# Altium PCB BoardB.PcbDoc (part 2 of 2) (continued)
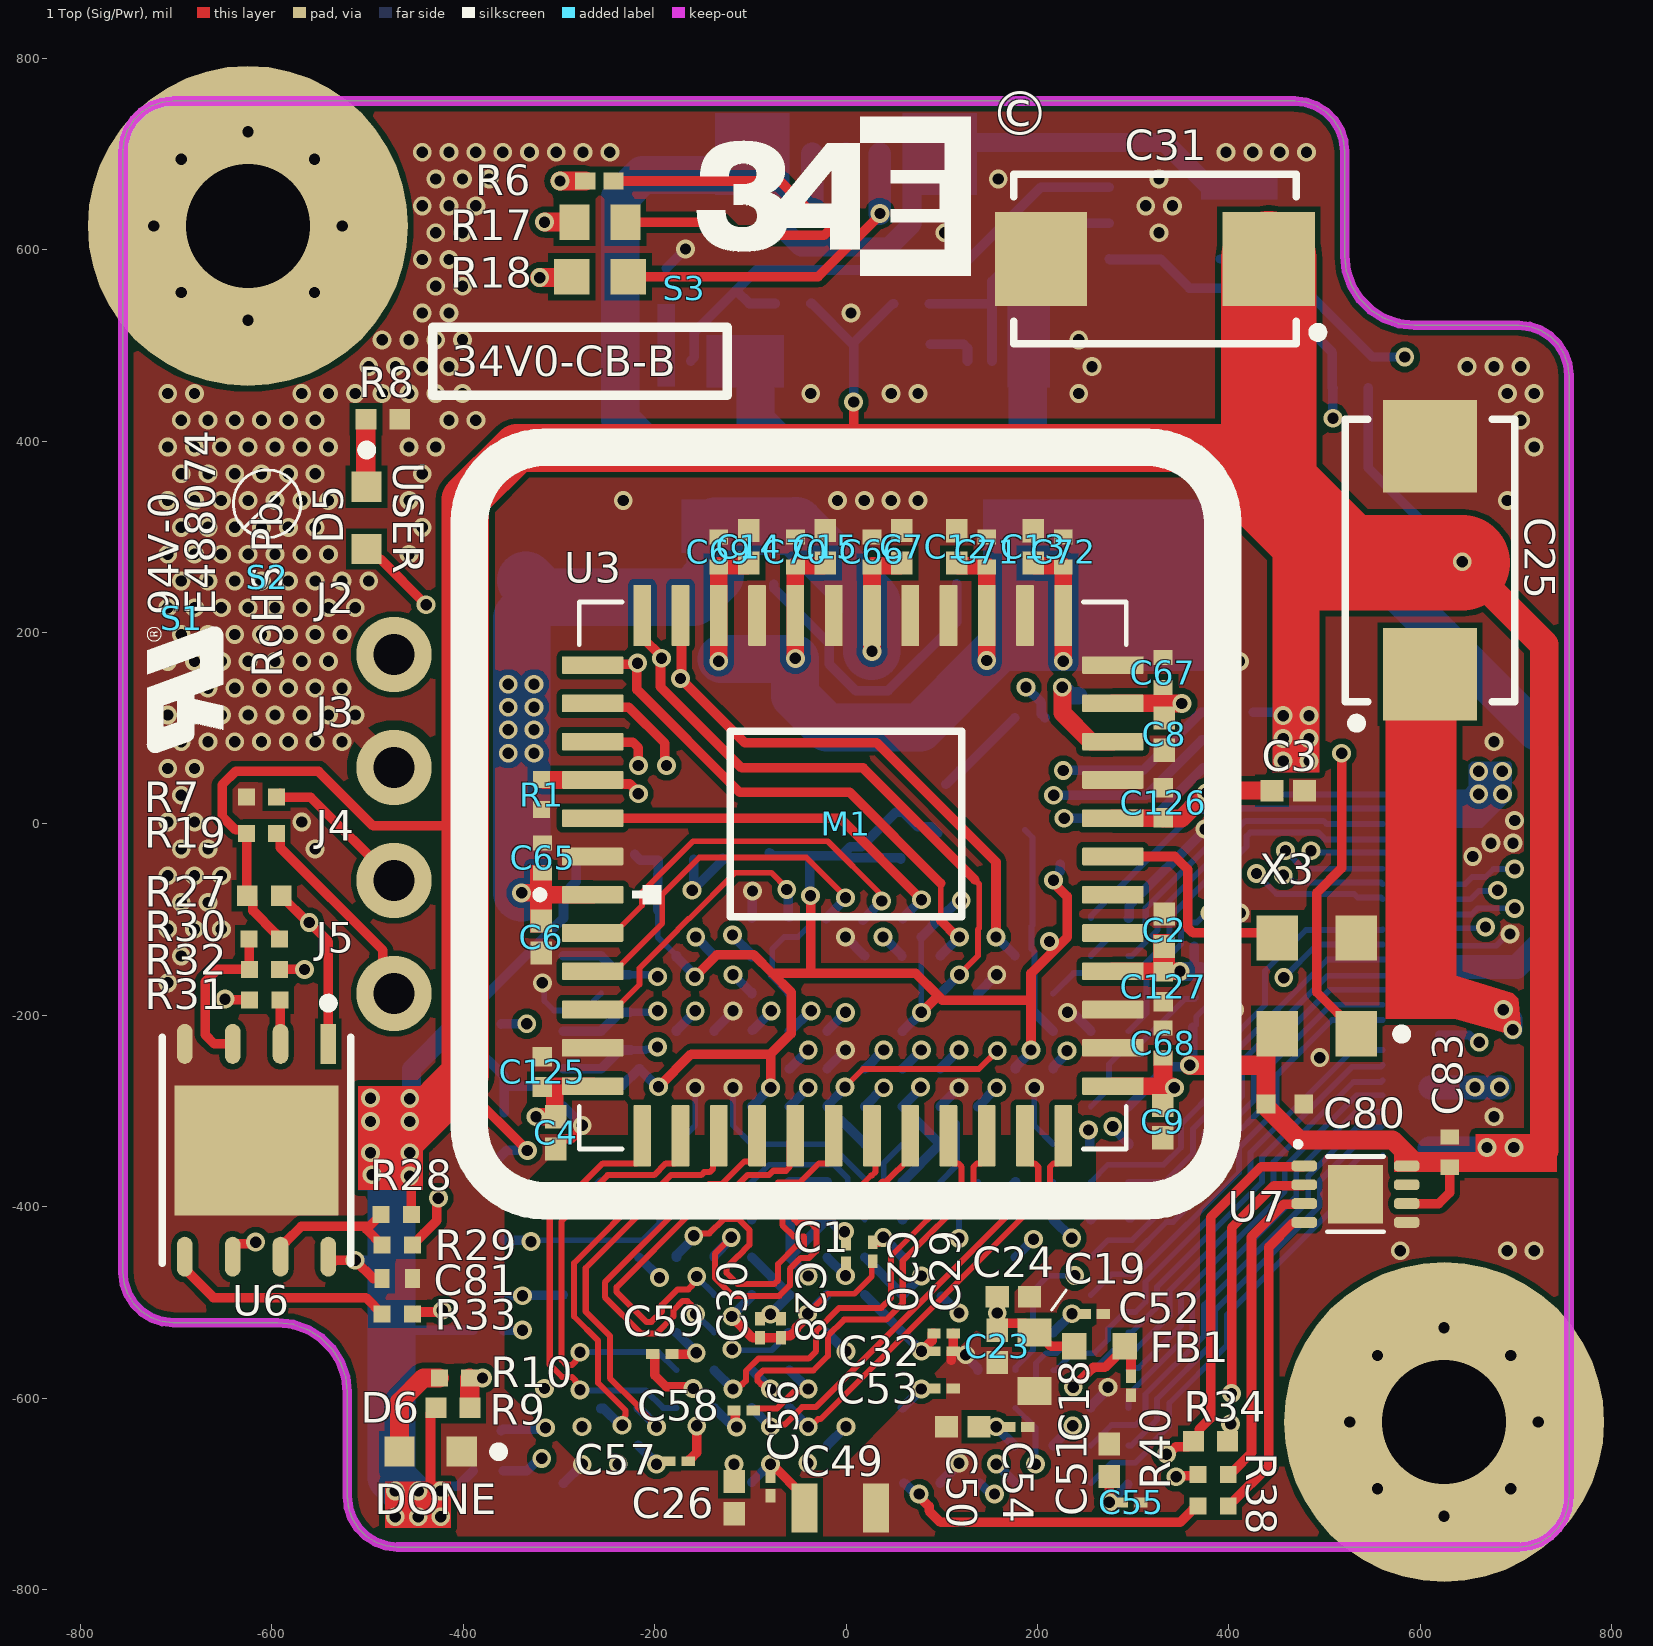
[diagram p0: 1 Top (Sig/Pwr) view]
## Nets (pads, with @x,y where several pads share a name; then routed paths per layer and width w, separated by ;. In a path a pad name is that pad's centre, name@x,y a point inside that pad or via, vN(x,y) a via of type N, cw(c..) or ccw(c..) an arc to the next point about the centre after c; other vN are vias at no path point) (continued)
  1 Top (Sig/Pwr) w6: v1(-40.13,-511.87) -19.26,-491 8.95,-491 26.98,-472.97 26.98,-458.02 C20.2@28,-457
  1 Top (Sig/Pwr) w10: -291.15,-329.08 -287.32,-329.08 -275.59,-317.34 v1(-275.59,-314.96) ; C59.2@-201.88,-554 -200.09,-554 -199.91,-554.17 -199.91,-576.09 -187.85,-588.15 -161.65,-588.15 v1(-159.79,-590) ; C57.2@-164.99,-666 -163.19,-666 -163.02,-665.83 -163.02,-664.03 -156,-657.01 v1(-156,-629) ; v1(-119.32,-514.82) -119.32,-515.37 -97.66,-537.02 C28.2@-68,-537.02 -68,-535.23 -67.83,-535.05 -58.35,-535.05 -51.83,-528.53 -51.83,-526.19 -40.13,-514.49 v1(-40.13,-511.87) ; C58.2@-117.02,-613 -115.84,-613 -115.67,-613.17 -115.67,-628.88 v1(-114.32,-630.23) ; 110.04,-560.65 110.04,-551.17 110.21,-551 C32.2@112.01,-551 ; C32.2@112.01,-551 C29.2@112.03,-532.31
  6 Bottom (Sig/Pwr) w6: v1(-317.34,-166.06) -315.25,-168.15 -315.25,-184.9 -305.13,-195.02 -287.88,-195.02 -273.74,-195 U1.P2@-255.91,-177.17 ; U1.K4@-177.17,-334.65 -157.48,-314.96 v1(-157.48,-275.59) ; v1(-118.11,-275.59) -118.11,-314.96 U1.K6@-98.43,-334.65 U1.K7@-59.06,-334.65 U1.K8@-19.69,-334.65 -16.83,-334.65 19.68,-371.16 U1.J9@19.68,-374.02 ; U1.J11@98.43,-374.02 116.28,-356.16 116.28,-313.13 U1.L11@98.43,-295.28 ; 196,-586 198.68,-583.32 198.68,-563.47 209.14,-553.01 220.28,-553.01 230.48,-542.81 ; v1(196.85,-275.59) 196.85,-314.96 U1.K14@216.54,-334.65 ; J1.15@620.08,-125.98 621.3,-127.21 679.56,-127.21 691.77,-115 v1(694,-115)
  6 Bottom (Sig/Pwr) w10: U1.A1@-295.28,-688.98 v1(-275.59,-669.29) ; U1.L1@-295.28,-295.28 v1(-275.59,-314.96) ; U1.G3@-216.54,-452.76 -216.39,-452.76 -195.08,-474.07 v1(-194.93,-474.07) ; C78.2@-188,580.68 v1(-167.69,601) ; U1.C5@-137.8,-610.24 -117.8,-630.23 v1(-114.32,-630.23) ; U1.N5@-137.8,-216.54 -137.8,-215.77 -118.11,-196.08 v1(-118.11,-195.32) ; v1(-119.32,-514.82) -119.32,-513.92 -98.43,-493.03 U1.F6@-98.43,-492.13 ; U1.H6@-98.43,-413.39 -98.43,-411.57 -87,-400.14 v1(-87,-398.32) ; U1.T6@-98.43,-98.43 -98.09,-98.09 -98.09,-70.34 v1(-97.75,-70) ; C74.2@-75.37,250.79 -75.37,246.36 -17.4,188.39 -17.4,166.9 10.1,139.39 44.07,139.39 115.55,210.87 C76.2@115.55,250.87 ; v1(-40.13,-511.87) -39.78,-511.87 -20.04,-492.13 U1.F8@-19.69,-492.13 ; U1.B8@-19.69,-649.61 v1(0,-629.92) ; U1.M8@-19.69,-255.91 -19.69,-255.69 -0.42,-236.43 v1(-0.42,-236.22) ; v1(-0.42,-118.11) -0.21,-118.11 19.47,-137.8 U1.R9@19.68,-137.8 ; U1.G9@19.68,-452.76 U1.F10@59.06,-492.13 v1(78.74,-472.44) ; U1.A11@98.43,-688.98 98.43,-688.28 118,-668.7 v1(118,-668) ; U1.L11@98.43,-295.28 v1(118.11,-275.59) ; v1(125.23,-554.77) 125.23,-556.54 137.8,-569.1 U1.D12@137.8,-570.87 ; U1.P12@137.8,-177.17 v1(157.48,-157.48) ; U1.G13@177.17,-452.76 v1(196,-434) ; v1(231.46,-196.85) 233.31,-198.7 238.07,-198.7 U1.N15@255.91,-216.54 ; U1.C15@255.91,-610.24 255.91,-608.43 273.78,-590.55 v1(273.78,-588.74) ; U1.T16@295.28,-98.43 295.91,-97.79 295.91,-85.32 375.14,-6.1 v1(375.14,-5.35)
  other v1: -238,-669 -40,-668 -276,-630 -315,-590 579.19,-446 691.19,-446 719.19,-446 677.19,-306 495.17,-244.17 406.24,-194.11 -708.81,-166 -694.81,-138 -708.81,-110 -680.81,-110 -652.81,-110 412,-93 -694.81,-82 -666.81,-82 -708.81,-54 -680.81,-54 -652.81,-54 655,-34 -694.81,-26 -666.81,-26 -554.81,-26 674,-20 697,-20 -708.81,2 -680.81,2 -568.81,2 698.78,3.63 -694.81,30 -708.81,58 -680.81,58 -694.81,86 -666.81,86 -638.81,86 -610.81,86 -582.81,86 -554.81,86 -526.81,86 677.19,86 -708.81,114 -680.81,114 -652.81,114 -624.81,114 -596.81,114 -568.81,114 -540.81,114 -512.81,114 -694.81,142 -666.81,142 -638.81,142 -610.81,142 -582.81,142 -554.81,142 -526.81,142 -708.81,170 -680.81,170 -652.81,170 -624.81,170 -596.81,170 -568.81,170 -540.81,170 411.19,170 -694.81,198 -666.81,198 -638.81,198 -610.81,198 -582.81,198 -554.81,198 -526.81,198 -708.81,226 -680.81,226 -652.81,226 -624.81,226 -596.81,226 -568.81,226 -540.81,226 -512.81,226 -694.81,254 -666.81,254 -638.81,254 -610.81,254 -582.81,254 -554.81,254 -526.81,254 -498.81,254 -708.81,282 -680.81,282 -652.81,282 -624.81,282 -596.81,282 -568.81,282 -540.81,282 -456.81,282 -694.81,310 -666.81,310 -638.81,310 -610.81,310 -582.81,310 -554.81,310 -442.81,310 -708.81,338 -680.81,338 -652.81,338 -624.81,338 -596.81,338 -568.81,338 -540.81,338 -456.81,338 -232.81,338 -8.81,338 19.19,338 47.19,338 75.19,338 691.19,338 -694.81,366 -666.81,366 -638.81,366 -610.81,366 -582.81,366 -554.81,366 -442.81,366 -708.81,394 -680.81,394 -652.81,394 -624.81,394 -596.81,394 -568.81,394 -540.81,394 -456.81,394 -428.81,394 719.19,394 -694.81,422 -666.81,422 -638.81,422 -610.81,422 -582.81,422 -554.81,422 -414.81,422 -386.81,422 705.19,422 -708.81,450 -680.81,450 -568.81,450 -540.81,450 -512.81,450 -484.81,450 -456.81,450 -428.81,450 -400.81,450 -36.81,450 47.19,450 75.19,450 243.19,450 691.19,450 719.19,450 -498.81,478 -470.81,478 -442.81,478 -414.81,478 257.19,478 649.19,478 677.19,478 705.19,478 -484.81,506 -456.81,506 -428.81,506 -400.81,506 243.19,506 -442.81,534 -414.81,534 5.19,534 -428.81,562 -400.81,562 -442.81,590 -414.81,590 -428.81,618 -400.81,618 103.19,618 327.19,618 -442.81,646 -414.81,646 -386.81,646 313.19,646 341.19,646 -428.81,674 -400.81,674 -372.81,674 159.19,674 327.19,674 -442.81,702 -414.81,702 -386.81,702 -358.81,702 -330.81,702 -302.81,702 -274.81,702 -246.81,702 397.19,702 425.19,702 453.19,702 481.19,702
INIT_B: R13.1 U1.K10 | length 533.1
  4 (GND/Sig) w6: -167.48,-381.48 -165.48,-379.48 20.53,-379.48 v1(39.37,-398.32)
  4 (GND/Sig) w10: v1@-331.43,-529.43 -315.43,-529.43 -167.48,-381.48
  6 Bottom (Sig/Pwr) w6: v1(39.37,-398.32) 39.37,-354.33 U1.K10@59.06,-334.65
  6 Bottom (Sig/Pwr) w10: R13.1@-357.5,-529.5 R13.1@-358,-529 v1(-338.16,-529)
LED_B: R18.1 U1.R1 U1.R2 | length 925.1
  1 Top (Sig/Pwr) w20: v1(-320,571) -287.53,571 R18.1@-286.53,572
  4 (GND/Sig) w10: v1@-320,573 -254.16,507.16 -254.16,151.53 -237.84,135.21 -237.84,-116.49 -196.85,-157.48 v1(-196.85,-159.68)
  6 Bottom (Sig/Pwr) w8: -226.52,-157.48 -199.05,-157.48 v1(-196.85,-159.68)
  6 Bottom (Sig/Pwr) w10: U1.R1@-295.28,-137.8 U1.R2@-255.91,-137.8 -236.22,-157.48 -226.52,-157.48
LED_B_C: D1.5 R18.2 | length 371.5
  1 Top (Sig/Pwr) w10: R18.2@-214.47,559 R18.2@-227.47,572 -29,572 35.43,636.43 v1@35.43,637.57
  6 Bottom (Sig/Pwr) w23.62: v1(35.43,638) D1.5@35.43,700.39
LED_FAULT: J5.1 R19.2 U1.P6 | length 625.1
  1 Top (Sig/Pwr) w10: R19.2@-595.25,-10 -591.39,-13.86 -591.39,-24.61 -484.08,-131.92 -484.08,-165.52 J5.1@-472.44,-177.17
  3 (Sig/Pwr) w10: J5.1@-472.44,-177.17 -434.12,-138.84 -136.75,-138.84 v1(-118,-157.59)
  6 Bottom (Sig/Pwr) w10: v1(-118,-157.59) U1.P6@-98.43,-177.17 U1.P6@-98.43,-175.87
LED_G: R6.1 U1.M1 U1.M2 | length 1156.5
  1 Top (Sig/Pwr) w20: v1(-299,672) R6.1@-272.53,672
  4 (GND/Sig) w10: v1(-299,672) -328,672 -369,631 -369,553 -303,487 -303,135 -282,114 -282,-148 v1(-197,-233)
  6 Bottom (Sig/Pwr) w8: -225.22,-236.22 -209.55,-236.22 -208.57,-235.24 -199.24,-235.24 v1(-197,-233)
  6 Bottom (Sig/Pwr) w10: U1.M1@-295.28,-255.91 U1.M2@-255.91,-255.91 -236.22,-236.22 -225.22,-236.22
LED_G_C: D1.3 R6.2 | length 284
  1 Top (Sig/Pwr) w10: R6.2@-243,672 -69,672 v1(-35,638)
  6 Bottom (Sig/Pwr) w23.62: v1@-35.43,638.43 D1.3@-35.43,700.39
LED_IR: J4.1 R7.1 U1.N6 | length 683
  1 Top (Sig/Pwr) w10: R7.1@-591.39,31.86 R7.1@-595.25,28 -559.5,28 J4.1@-472.44,-59.06
  3 (Sig/Pwr) w10: J4.1@-472.44,-59.06 -463.12,-59.06 -429.34,-92.84 -112.18,-92.84 -78.11,-126.91 v1(-78.11,-195.32)
  6 Bottom (Sig/Pwr) w10: U1.N6@-97.8,-215.77 v1@-78.11,-196.08
LED_R: R17.1 U1.N1 U1.N2 | length 1037.6
  1 Top (Sig/Pwr) w20: v1(-315,629) R17.1@-283.57,629
  4 (GND/Sig) w10: v1(-315,629) -345,599 -345,564 -278,497 -278,143 -261,126 -261,-132.7 -198.38,-195.32 v1(-196.85,-195.32)
  6 Bottom (Sig/Pwr) w8: -225.85,-196.85 -198.39,-196.85 v1(-196.85,-195.32)
  6 Bottom (Sig/Pwr) w10: U1.N1@-295.28,-216.54 U1.N2@-255.91,-216.54 -236.22,-196.85 -225.85,-196.85
LED_R_C: D1.4 R17.2 | length 308
  1 Top (Sig/Pwr) w10: R17.2@-230.43,629 -130.94,629 -117.1,615.16 -22.84,615.16 v1(0,638)
  6 Bottom (Sig/Pwr) w23.62: v1(0,638) D1.4@0,700.39
LED_USER: D5.2 U1.N4 | length 784
  1 Top (Sig/Pwr) w10: D5.2@-501,287.52 -490.25,276.77 -486.46,276.77 v1(-438.84,229.16)
  4 (GND/Sig) w10: v1(-438.84,229.16) -409,199.32 -409,-46.33 -409,-50.48 -403.14,-56.33 -308.71,-145.22 -296.5,-157.43 -217.84,-241.63 -205.63,-253.84 -188.37,-253.84 -157.48,-222.96 v1(-157.48,-195.32)
  6 Bottom (Sig/Pwr) w10: U1.N4@-177.17,-216.54 -177.17,-215.77 -157.48,-196.08 v1(-157.48,-195.32)
MODE_0: R14.2 U1.M9 | length 615.1
  3 (Sig/Pwr) w6: v1(39.37,-236.22) 57.58,-218.01 57.58,-73.85
  3 (Sig/Pwr) w10: 57.58,-73.85 57.58,-71.02 184.6,56 v1(227,56)
  6 Bottom (Sig/Pwr) w10: U1.M9@19.68,-255.91 v1(39.37,-236.22) ; v1(227,56) 310.48,56 371.48,117 R14.2@394.25,117
MODE_1: R15.2 U1.M10 | length 561.9
  3 (Sig/Pwr) w6: v1(78.74,-236.22) 99.79,-215.17 99.79,-78
  3 (Sig/Pwr) w10: 99.79,-78 99.79,-71.35 201.14,30 v1(217,30)
  6 Bottom (Sig/Pwr) w10: U1.M10@59.06,-255.91 v1(78.74,-236.22) ; v1(217,30) 314,30 372,88 R15.2@394.25,88
MODE_2: R16.2 U1.M11 | length 499.8
  3 (Sig/Pwr) w6: v1(118.11,-236.22) 137.9,-216.43 137.9,-89.3 140.19,-87
  3 (Sig/Pwr) w10: 141.37,-83.48 223.16,-1.69 223.16,-1.46 228,3.38 v1(228,6)
  6 Bottom (Sig/Pwr) w10: U1.M11@98.43,-255.91 v1(118.11,-236.22) ; v1(228,6) 320.63,6 373.63,59 R16.2@394.25,59
NetD5_1: D5.1 R8.1 | length 64.9
  1 Top (Sig/Pwr) w20: D5.1@-502,352.48 -501.86,352.62 R8.1@-501.86,417.33
NetD6_2: D6.2 R10.2 | length 104.2
  1 Top (Sig/Pwr) w20: D6.2@-466.48,-656 -466.48,-603.77 -441.71,-579 R10.2@-424.75,-579
NetR5_1: R5.1 X1.1 | length 101
  6 Bottom (Sig/Pwr) w10: X1.1@104.33,41.34 119.02,56.02 121.53,56.02 R5.1@176.5,111
PROGRAM_B: R12.1 U1.L9 | length 479
  3 (Sig/Pwr) w6: v1(-333.6,-208.76) -329.89,-208.76 -324.49,-214.16 -113.52,-214.16 -59.05,-268.63 -59.05,-282.55 -47.17,-294.43 20.53,-294.43 v1(39.37,-275.59)
  6 Bottom (Sig/Pwr) w10: R12.1@-360.25,-209 -360.13,-208.88 -333.72,-208.88 v1(-333.6,-208.76) ; U1.L9@19.68,-295.28 v1(39.37,-275.59)
PUDC_B: R76.1 U1.L15 | length 172.4
  6 Bottom (Sig/Pwr) w6: U1.L15@255.91,-295.28 274.84,-276.34 274.84,-251.09 291.53,-234.39 302.67,-234.39 354.16,-182.91 364.25,-182.91 R76.1@366.17,-180.98
PWR_12V_OFF: J1.19 U1.N16 | length 609.6
  4 (GND/Sig) w10: v1(380.12,-93) 380.12,-95.62 401.5,-117 592.49,-117 654.37,-55.12 665.73,-55.12 672.77,-48.08 697.7,-48.08 v1(698.78,-47)
  6 Bottom (Sig/Pwr) w6: U1.N16@295.28,-216.54 314,-197.81 314,-161.73 350.02,-125.71 350.02,-112.04 359.14,-102.91 366.51,-102.91 376.42,-93 v1(380.12,-93) ; J1.19@620.08,-62.99 646.81,-62.97 654.45,-55.32 668.36,-55.32 676.68,-47 v1(698.78,-47)
RIO_CS: J1.26 U1.T15 | length 363.1
  6 Bottom (Sig/Pwr) w6.3: U1.T15@255.91,-98.43 255.91,-96.39 365.94,13.64 384.98,13.64 402.34,31 J1.26@564.16,31
RIO_MISO: J1.27 U1.R15 | length 391.2
  6 Bottom (Sig/Pwr) w6.3: U1.R15@255.91,-137.8 277.27,-116.43 293.77,-116.43 302.74,-116.43 313.26,-105.91 313.26,-100.77 ; 313.29,-100.75 313.29,-87.97 376.9,-24.35 383,-24.35 394.13,-13.22 394.13,-2.51 412.64,16 J1.27@566.65,16
RIO_MOSI: J1.28 U1.R16 | length 342.2
  6 Bottom (Sig/Pwr) w6.3: U1.R16@295.28,-137.8 U1.R16@298.36,-137.8 ; U1.R16@298.57,-138 325.56,-111.01 325.56,-101.91 ; 325.59,-101.88 325.59,-93.06 382,-36.65 388.1,-36.65 406.43,-18.32 406.43,-7.6 417.33,3.3 498.96,3.3 502.26,0 J1.28@561.02,0
RIO_SCLK: J1.29 U1.P14 | length 453.4
  6 Bottom (Sig/Pwr) w6.3: U1.P14@216.54,-177.17 237.9,-155.81 302.74,-155.81 337.86,-120.68 337.86,-107 ; 337.89,-106.98 337.89,-98.16 387.1,-48.95 393.2,-48.95 418.74,-23.41 418.74,-12.7 422.43,-9.01 493.87,-9.01 500.86,-16 J1.29@577.91,-16
USB_CLKOUT: J1.36 U1.D13 | length 697.9
  4 (GND/Sig) w10: v1(239,-472) 303,-472 457.58,-317.42 v1(457.58,-160.58)
  6 Bottom (Sig/Pwr) w6: U1.D13@177.17,-570.87 177.17,-568.01 195.41,-549.77 195.41,-488 211.41,-472 v1(239,-472) ; v1(457.58,-160.58) 492.18,-125.98 J1.36@561.02,-125.98
USB_D0: J1.50 U1.A15 | length 496.9
  6 Bottom (Sig/Pwr) w6: U1.A15@255.91,-688.98 277.42,-667.46 302.67,-667.46 316.06,-654.08 316.06,-650.79 337.96,-628.89 337.96,-605.04 398,-545 398,-513 507.3,-403.7 507.3,-377.69 536.61,-348.38 559.1,-348.38 J1.50@561.02,-346.46
USB_D1: J1.49 U1.B16 | length 444.5
  6 Bottom (Sig/Pwr) w6: U1.B16@295.28,-649.61 298.13,-649.61 325.13,-622.6 325.13,-600.87 386,-540 386,-508.03 495.14,-398.89 495.14,-372.88 535.48,-332.54 559.2,-332.54 J1.49@561.02,-330.71
USB_D2: J1.48 U1.B15 | length 490.6
  6 Bottom (Sig/Pwr) w6: U1.B15@255.91,-649.61 277.42,-628.09 302.67,-628.09 313.13,-617.63 313.13,-595.87 374,-535 374,-502.65 483,-393.65 483,-367.84 534.05,-316.79 559.2,-316.79 J1.48@561.02,-314.96
USB_D3: J1.47 U1.C16 | length 436.5
  6 Bottom (Sig/Pwr) w6: U1.C16@295.28,-610.24 295.28,-596.12 362,-529.4 362,-497.68 470.67,-389 470.67,-363.2 532.83,-301.04 559.2,-301.04 J1.47@561.02,-299.21
USB_D4: J1.46 U1.D16 | length 418.5
  6 Bottom (Sig/Pwr) w6: U1.D16@295.28,-570.87 297.52,-568.62 305.8,-568.62 350,-524.43 350,-492.71 458.67,-384.03 458.67,-358.23 533.44,-283.46 J1.46@561.02,-283.46
USB_D5: J1.45 U1.D15 | length 460.8
  6 Bottom (Sig/Pwr) w6: U1.D15@256.16,-570.61 259.02,-570.61 280.27,-549.35 302.67,-549.35 338,-514.03 338,-487.73 446.67,-379.06 446.67,-353.25 530.39,-269.54 559.2,-269.54 J1.45@561.02,-267.72
USB_D6: J1.44 U1.E16 | length 409
  6 Bottom (Sig/Pwr) w6: U1.E16@295.28,-531.5 298.27,-531.5 323,-506.77 323,-506.63 325.13,-504.49 325.13,-483.63 434.67,-374.09 434.67,-348.28 529.16,-253.8 559.2,-253.8 J1.44@561.02,-251.97
USB_D7: J1.43 U1.D14 | length 517
  6 Bottom (Sig/Pwr) w6: U1.D14@216.54,-570.87 219.39,-570.87 237.25,-553.01 259.65,-553.01 273.76,-538.89 273.76,-527.75 291.53,-509.98 302.67,-509.98 313.13,-499.52 313.13,-478.66 422.67,-369.12 422.67,-343.31 529.77,-236.22 J1.43@561.02,-236.22
USB_OE: J1.35 U1.J15 | length 470.9
  6 Bottom (Sig/Pwr) w6: U1.J15@255.91,-374.02 273.92,-356 332,-356 350,-338 350,-314 390,-274 390,-237 437.99,-189.01 437.99,-153.53 480.67,-110.84 560.42,-110.84 J1.35@561.02,-110.24
USB_PWREN: J1.17 U1.B14 | length 1006.1
  3 (Sig/Pwr) w9.6: v1(237,-629) 281.19,-629 510.19,-400 687,-400 726,-361 726,-116.22 698.78,-89 v1(698.78,-88.16)
  6 Bottom (Sig/Pwr) w6: J1.17@608.56,-94.51 653.84,-94.51 660.2,-88.16 v1(698.78,-88.16)
  6 Bottom (Sig/Pwr) w10: U1.B14@216.54,-649.61 216.54,-649.54 237,-629.07 v1(237,-629)
USB_RD: J1.39 U1.G15 | length 472
  6 Bottom (Sig/Pwr) w6: U1.G15@255.91,-452.76 273.76,-434.9 299.02,-434.9 329.92,-404 336.88,-404 386.67,-354.21 386.67,-328.4 426.17,-288.9 426.17,-252.58 505.52,-173.23 J1.39@575.72,-173.23
USB_RXF: J1.41 U1.F15 | length 460.6
  6 Bottom (Sig/Pwr) w6: U1.F15@255.91,-492.13 277.42,-470.61 304.21,-470.61 410.67,-364.15 410.67,-338.34 450.17,-298.85 450.17,-262.52 507.97,-204.72 J1.41@561.02,-204.72
USB_SIWU: J1.37 U1.J16 | length 413.3
  6 Bottom (Sig/Pwr) w6: U1.J16@295.28,-374.02 332.93,-374.02 362.67,-344.27 362.67,-318.46 402.17,-278.96 402.17,-242.64 503.08,-141.73 J1.37@561.02,-141.73 J1.37@575.97,-141.73
USB_SUS: J1.18 U1.H14 | length 781.1
  4 (GND/Sig) w9.6: v1(236,-432.85) 308.15,-432.85 427,-314 427,-155.03 445.03,-137 609.86,-137 672.51,-74.36 673.24,-74.36 678.28,-69.32 v1(681.01,-69.32)
  6 Bottom (Sig/Pwr) w6: J1.18@620.08,-78.74 652.64,-78.74 661.33,-70.05 680.27,-70.05 v1(681.01,-69.32)
  6 Bottom (Sig/Pwr) w10: U1.H14@216.54,-413.39 v1(236,-432.85)
USB_TCK: J1.33 U1.L7 | length 739.9
  4 (GND/Sig) w6: v1(-39.37,-275.59) -19.17,-255.39 125.58,-255.39 138.06,-242.92 138.06,-230.3 150.2,-218.16 180.84,-218.16 347.28,-51.72 v1(429,-51.72)
  6 Bottom (Sig/Pwr) w6: v1(429,-51.72) 429,-52.25 449.9,-73.16 531.16,-73.16 534.91,-76.91 559.2,-76.91 J1.33@561.02,-78.74
  6 Bottom (Sig/Pwr) w10: U1.L7@-59.06,-295.28 v1(-39.37,-275.59)
USB_TDI: J1.32 U1.N7 | length 727.5
  4 (GND/Sig) w6: v1(-36.42,-195.33) -36.42,-198.26 -18.99,-215.69 86.55,-215.69 106.24,-196 186,-196 343,-39 413.35,-39 419.47,-32.88 436.8,-32.88 457,-53.07 v1(457,-53.61)
  6 Bottom (Sig/Pwr) w6: v1(457,-53.61) 460.7,-53.61 468.25,-61.16 536.13,-61.16 559.2,-61.17 J1.32@561.02,-62.99
  6 Bottom (Sig/Pwr) w10: U1.N7@-59.06,-216.54 -58.34,-216.54 -37.14,-195.33 v1(-36.42,-195.33)
USB_TDO: J1.31 U1.N8 | length 672.5
  4 (GND/Sig) w6: v1(-0.42,-196.85) 0,-196.85 20.53,-176.32 185.85,-176.32 335.17,-27 408.38,-27 414.5,-20.88 448.94,-20.88 456.06,-28 v1(459.29,-28)
  6 Bottom (Sig/Pwr) w6: v1(459.29,-28) 459.29,-28.29 477.84,-46.84 J1.31@560.62,-46.84
  6 Bottom (Sig/Pwr) w10: U1.N8@-19.69,-216.54 -19.69,-216.32 -0.42,-197.06 v1(-0.42,-196.85)
USB_TMS: J1.30 U1.M7 | length 833.6
  4 (GND/Sig) w6: v1(-39.37,-236.22) -58.21,-217.38 -58.21,-149.67 -45.54,-137 165.56,-137 316.56,14 368.93,14 369.04,13.9 384.65,13.9 384.75,14 444,14 v1(486,-28)
  6 Bottom (Sig/Pwr) w6: v1(486,-28) 487.75,-29.75 564.77,-29.75 J1.30@566.52,-31.5
  6 Bottom (Sig/Pwr) w10: U1.M7@-59.06,-255.91 v1(-39.37,-236.22)
USB_TXE: J1.40 U1.G16 | length 411.4
  6 Bottom (Sig/Pwr) w6: U1.G16@295.28,-452.76 298.13,-452.76 334.89,-416 341.85,-416 398.67,-359.18 398.67,-333.37 438.17,-293.88 438.17,-257.55 506.75,-188.98 J1.40@561.02,-188.98
USB_WR: J1.38 U1.H16 | length 423.4
  6 Bottom (Sig/Pwr) w6: U1.H16@295.28,-413.39 298.13,-413.39 319.52,-392 331.91,-392 374.67,-349.24 374.67,-323.43 414.17,-283.93 414.17,-247.61 503.21,-158.57 J1.38@576.68,-158.57
VCCADC: C1.1 C18.2 FB1.1 U1.G8 | length 419.9
  1 Top (Sig/Pwr) w10: v1(237.54,-588.55) 256.38,-569.71 256.83,-569.71 258.64,-567.9 270.64,-567.9 291.57,-546.97 FB1.1@291.57,-545.98 297.83,-552.24 297.83,-576.82 C18.2@298,-577
  3 (Sig/Pwr) w10: v1(-0.48,-472.16) 48.98,-472.16 108.67,-531.84 132.67,-531.84 189.82,-589 237.09,-589 v1(237.54,-588.55)
  6 Bottom (Sig/Pwr) w10: U1.G8@-19.69,-452.76 -19.69,-452.86 -0.48,-472.06 v1(-0.48,-472.16)
pads on no net: U1.A2 U1.A3 U1.A4 U1.A5 U1.A7 U1.A8 U1.A9 U1.A14 U1.B1 U1.B2 U1.B4 U1.B5 U1.B6 U1.B7 U1.B9 U1.B10 U1.B11 U1.B12 U1.C1 U1.C8 U1.C9 U1.C11 U1.C12 U1.C14 U1.D1 U1.D8 U1.D9 U1.D10 U1.D11 U1.E1 U1.E2 U1.E3 U1.E6 U1.E11 U1.E12 U1.E13 U1.F2 U1.F3 U1.F4 U1.F12 U1.F13 U1.F14 U1.G1 U1.G2 U1.G11 U1.G12 U1.G14 U1.H1 U1.H2 U1.H3 U1.H4 U1.H5 U1.H11 U1.H12 U1.H13 U1.J1 U1.J3 U1.J4 U1.J5 U1.K1 U1.K2 U1.K3 U1.K5 U1.K12 U1.K13 U1.L2 U1.L3 U1.L4 U1.L5 U1.L13 U1.L14 U1.M4 U1.M5 U1.M6 U1.M12 U1.M15 U1.M16 U1.N3 U1.N9 U1.N11 U1.N12 U1.N13 U1.P1 U1.P3 U1.P4 U1.P5 U1.P8 U1.P9 U1.P10 U1.P13 U1.P15 U1.P16 U1.R3 U1.R7 U1.R8 U1.R12 U1.T2 U1.T3 U1.T4 U1.T5 U1.T12 U1.T13 U1.T14 U3.23 U3.24 U7.7

## Polygon pours and split planes (outlines as drawn)
GND on 6 Bottom (Sig/Pwr) "6 Bottom GND Plane" (solid, pour order 0): -900,900 900,900 900,-900 -900,-900
GND on 1 Top (Sig/Pwr) "1 Top GND Plane" (solid, pour order 1): -900,900 900,900 900,-900 -900,-900
GND on 4 (GND/Sig) "4 GND Plane" (solid, pour order 2): -900,900 900,900 900,-900 -900,-900
GND on 3 (Sig/Pwr) "3 GND Plane" (solid, pour order 3): -900,900 900,900 900,-900 -900,-900
+3.3 on 5 (GND) (split plane): 475.93,734.59 482.75,732.2 488.87,728.36 493.98,723.24 497.83,717.12 500.21,710.3 501.15,701.99 501.15,593.75 501.26,592.62 501.28,591.5 503.09,575.36 503.15,575.09 503.16,574.8 503.56,573.16 503.92,571.51 504.03,571.25 504.09,570.98 509.46,555.65 509.58,555.39 509.65,555.12 510.4,553.61 511.12,552.08 511.28,551.85 511.41,551.6 520.05,537.85 520.22,537.63 520.35,537.38 521.43,536.07 522.46,534.74 522.67,534.55 522.85,534.33 534.33,522.85 534.55,522.67 534.74,522.46 536.07,521.42 537.38,520.35 537.63,520.22 537.85,520.05 551.6,511.41 551.85,511.28 552.08,511.12 553.61,510.4 555.12,509.65 555.4,509.58 555.65,509.46 570.98,504.09 571.25,504.03 571.51,503.92 573.16,503.56 574.8,503.16 575.09,503.15 575.36,503.09 591.5,501.28 592.62,501.26 593.75,501.15 701.99,501.15 710.3,500.21 717.13,497.83 723.24,493.98 728.36,488.87 732.2,482.75 734.59,475.93 735.52,467.62 735.52,-702 734.59,-710.31 732.2,-717.13 728.36,-723.25 723.24,-728.36 717.13,-732.21 710.3,-734.6 701.99,-735.53 -467.63,-735.53 -475.94,-734.6 -482.76,-732.21 -488.88,-728.36 -493.99,-723.25 -497.83,-717.13 -500.22,-710.31 -501.16,-702 -501.16,-593.75 -501.27,-592.63 -501.28,-591.5 -503.1,-575.37 -503.16,-575.09 -503.17,-574.81 -503.57,-573.17 -503.92,-571.52 -504.04,-571.26 -504.1,-570.98 -509.46,-555.66 -509.58,-555.4 -509.66,-555.13 -510.41,-553.62 -511.12,-552.09 -511.29,-551.86 -511.42,-551.61 -520.05,-537.86 -520.23,-537.64 -520.36,-537.39 -521.43,-536.08 -522.47,-534.74 -522.68,-534.56 -522.86,-534.34 -534.34,-522.86 -534.56,-522.68 -534.74,-522.47 -536.08,-521.43 -537.39,-520.36 -537.64,-520.23 -537.86,-520.05 -551.61,-511.42 -551.86,-511.29 -552.09,-511.12 -553.62,-510.41 -555.13,-509.66 -555.4,-509.58 -555.66,-509.46 -570.98,-504.1 -571.26,-504.04 -571.52,-503.92 -573.17,-503.57 -574.81,-503.17 -575.09,-503.16 -575.37,-503.1 -591.5,-501.28 -592.63,-501.27 -593.75,-501.16 -702,-501.16 -710.31,-500.22 -717.13,-497.83 -723.25,-493.99 -728.36,-488.88 -732.21,-482.76 -734.6,-475.94 -735.53,-467.63 -735.53,701.99 -734.6,710.3 -732.21,717.12 -728.36,723.24 -723.25,728.36 -717.13,732.2 -710.31,734.59 -702,735.52 467.62,735.52
GND on 2 (GND) (split plane): 475.93,734.59 482.75,732.2 488.87,728.36 493.98,723.24 497.83,717.12 500.21,710.3 501.15,701.99 501.15,593.75 501.26,592.62 501.28,591.5 503.09,575.36 503.15,575.09 503.16,574.8 503.56,573.16 503.92,571.51 504.03,571.25 504.09,570.98 509.46,555.65 509.58,555.39 509.65,555.12 510.4,553.61 511.12,552.08 511.28,551.85 511.41,551.6 520.05,537.85 520.22,537.63 520.35,537.38 521.43,536.07 522.46,534.74 522.67,534.55 522.85,534.33 534.33,522.85 534.55,522.67 534.74,522.46 536.07,521.42 537.38,520.35 537.63,520.22 537.85,520.05 551.6,511.41 551.85,511.28 552.08,511.12 553.61,510.4 555.12,509.65 555.4,509.58 555.65,509.46 570.98,504.09 571.25,504.03 571.51,503.92 573.16,503.56 574.8,503.16 575.09,503.15 575.36,503.09 591.5,501.28 592.62,501.26 593.75,501.15 701.99,501.15 710.3,500.21 717.13,497.83 723.24,493.98 728.36,488.87 732.2,482.75 734.59,475.93 735.52,467.62 735.52,-702 734.59,-710.31 732.2,-717.13 728.36,-723.25 723.24,-728.36 717.13,-732.21 710.3,-734.6 701.99,-735.53 -467.63,-735.53 -475.94,-734.6 -482.76,-732.21 -488.88,-728.36 -493.99,-723.25 -497.83,-717.13 -500.22,-710.31 -501.16,-702 -501.16,-593.75 -501.27,-592.63 -501.28,-591.5 -503.1,-575.37 -503.16,-575.09 -503.17,-574.81 -503.57,-573.17 -503.92,-571.52 -504.04,-571.26 -504.1,-570.98 -509.46,-555.66 -509.58,-555.4 -509.66,-555.13 -510.41,-553.62 -511.12,-552.09 -511.29,-551.86 -511.42,-551.61 -520.05,-537.86 -520.23,-537.64 -520.36,-537.39 -521.43,-536.08 -522.47,-534.74 -522.68,-534.56 -522.86,-534.34 -534.34,-522.86 -534.56,-522.68 -534.74,-522.47 -536.08,-521.43 -537.39,-520.36 -537.64,-520.23 -537.86,-520.05 -551.61,-511.42 -551.86,-511.29 -552.09,-511.12 -553.62,-510.41 -555.13,-509.66 -555.4,-509.58 -555.66,-509.46 -570.98,-504.1 -571.26,-504.04 -571.52,-503.92 -573.17,-503.57 -574.81,-503.17 -575.09,-503.16 -575.37,-503.1 -591.5,-501.28 -592.63,-501.27 -593.75,-501.16 -702,-501.16 -710.31,-500.22 -717.13,-497.83 -723.25,-493.99 -728.36,-488.88 -732.21,-482.76 -734.6,-475.94 -735.53,-467.63 -735.53,701.99 -734.6,710.3 -732.21,717.12 -728.36,723.24 -723.25,728.36 -717.13,732.2 -710.31,734.59 -702,735.52 467.62,735.52

## Keep-outs
Keep-Out Layer:
  the board outline again, w10

## Other copper
1 Top (Sig/Pwr):
  rectangle net +3.3: -482,-736 -413,-687
  rectangle net +3.3: 487,223 529,240
  rectangle net +3.3: 446,54 495,298
  rectangle net +3.3: -510,-382.4 -442.1,-274
  rectangle net +1: 563.63,-203.92 637.88,204
  rectangle net +3.3: 658.01,-363.51 743,-324.01
  rectangle net +3.3: 572.54,-363.52 663,-343
  rectangle net CAM_ANA: 321.5,-272.16 341.36,-236.96
  rectangle net +1.8: 321,-161.21 344,-115
  rectangle net CAM_ANA: -330.05,-113.61 -307.21,-42.93
  region net +1: 705,-210 698.87,-224.42 687.97,-218.03 637.88,-203.92 634.23,-157.61 697,-177 702.5,-182.5
  pour cut-out: -357,-397 -285,-325 247.55,-325 261.65,-341.76 261.65,-401.17 -6.84,-676 -271,-676 -357,-590
3 (Sig/Pwr):
  rectangle net +3.3: -482.2,-735.97 -412.96,-686.74
  rectangle net +3.3: -510,-383 -442,-274
  rectangle net +1.8: 644,-289 699,-262
  rectangle net CAM_ANA: -369,60 -309,162
  rectangle net +12_CAB: 651,19.23 696,65
4 (GND/Sig):
  rectangle net +3.3: 446,54 494,126
  rectangle net +3.3: 658,-348 710,-328
6 Bottom (Sig/Pwr):
  rectangle net +3.3: -482,-735 -413,-687
  rectangle net +3.3: 446,54 494,126
  rectangle net +3.3: -510,-383 -444,-274
  rectangle net +5: 371,652.6 450.73,678.25
  rectangle net CAM_ANA_NR: -197,457 -178.9,543.24
  rectangle net CAM_ANA: -369,60 -309,132
  rectangle net +5: -137.03,657.49 -59.06,743.31
  rectangle net +5: 59,657.36 137.09,743
  rectangle net +5: 169,456 213.15,549
  rectangle net +5: -146,456 -65,511
  rectangle net CAM_PIX: 143,160 386,339
  rectangle net CAM_ANA: -172,283 -102,339
  region net +12_CAB: 599,36 647,36 651,40 651,61.91 654.05,64.96 693.96,64.96 696,62.92 696,27 665,-4 599,-4

## Silkscreen, mask and mechanical layers (free items; w line width, h text height)
Top Overlay:
  lines w3.15: 215,-508 230,-487
  lines w10: -432,448 -124,448 -124,519 -432,519 -432,448
  text "34V0-CB-B" at -412.28,467.72 h31.5
  text "USER" at -473.28,378.28 h31.5 r270
  text "DONE" at -492.28,-721.28 h31.5

## Text inside footprints (layer, text, board x,y; h text height)
S1: Top Overlay "94V-0" at -697.15,218.15 h31.5 r90; Top Overlay "E488074" at -659.36,218.15 h31.5 r90
S2: Top Overlay "RoHS Pb" at -589.26,153.05 h31.5 r90
S3: Top Overlay "©" at 150.06,704.67 h78.74
U2: Mechanical 13 "*" at -143.61,341.14 h7.87 r270
U4: Mechanical 13 "*" at 171.35,341.14 h7.87 r270